# Allegro board RK_EVB1_RK3576_LP4XD200P132SD6_V12_20240530YWQ.brd (continued)
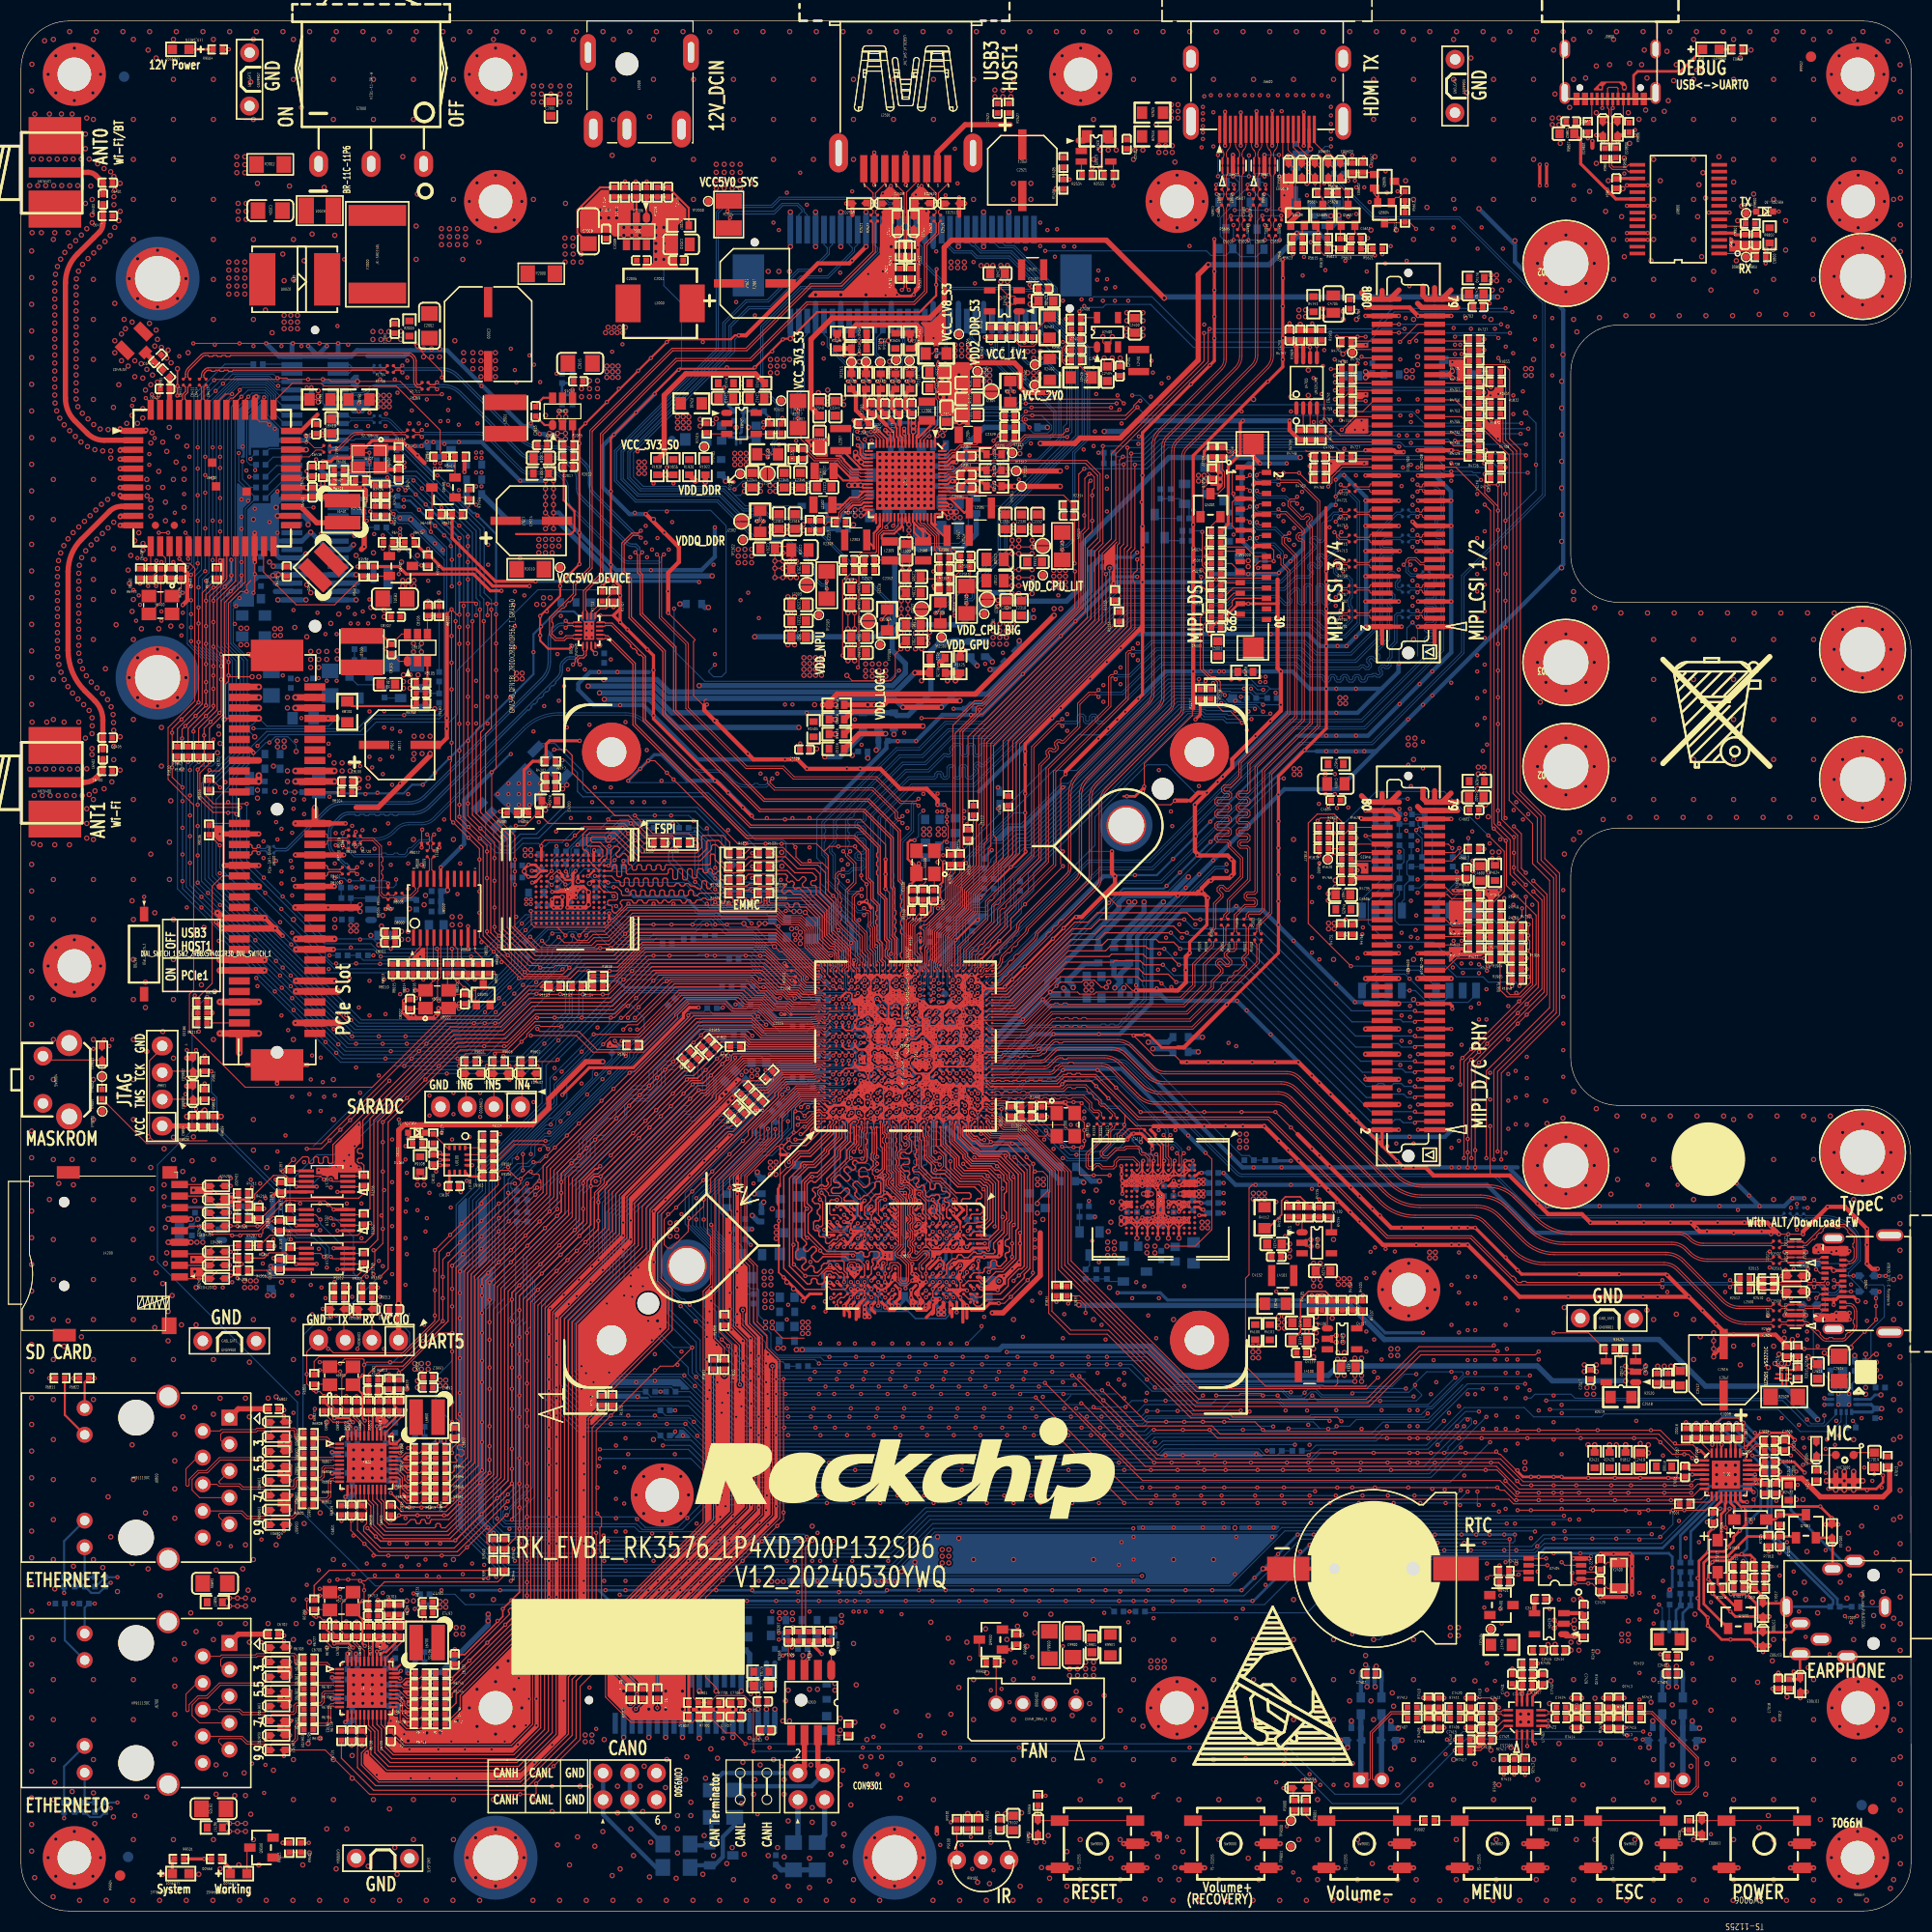
[diagram p0: board, top side]
## Footprints (pads in the part's own frame, mm; a bottom-side part is the same pattern mirrored in y, then rotated) (continued)
CNN30_1R00_FP05SL_V
  rect 0.5x0.9 smd: 1(-7.5,-1.25) 2(-7,1.25) 3(-6.5,-1.25) 4(-6,1.25) 5(-5.5,-1.25) 6(-5,1.25) 7(-4.5,-1.25) 8(-4,1.25) 9(-3.5,-1.25) 10(-3,1.25) 11(-2.5,-1.25) 12(-2,1.25) 13(-1.5,-1.25) 14(-1,1.25) 15(-0.5,-1.25) 16(0,1.25) 17(0.5,-1.25) 18(1,1.25) 19(1.5,-1.25) 20(2,1.25) 21(2.5,-1.25) 22(3,1.25) 23(3.5,-1.25) 24(4,1.25) 25(4.5,-1.25) 26(5,1.25) 27(5.5,-1.25) 28(6,1.25) 29(6.5,-1.25) 30(7,1.25)
  rect 2x2 smd: 31(-9.7,0) 32(9.7,0)
CNN40_0R80_61082_AUDIO
  round 1.2 hole 1.2 unplated: (-10.1,0)
  round 0.8 hole 0.8 unplated: (10.1,0)
  rect 0.5x2 smd: 1(-7.6,-2.2) 2(-7.6,2.2) 3(-6.8,-2.2) 4(-6.8,2.2) 5(-6,-2.2) 6(-6,2.2) 7(-5.2,-2.2) 8(-5.2,2.2) 9(-4.4,-2.2) 10(-4.4,2.2) 11(-3.6,-2.2) 12(-3.6,2.2) 13(-2.8,-2.2) 14(-2.8,2.2) 15(-2,-2.2) 16(-2,2.2) 17(-1.2,-2.2) 18(-1.2,2.2) 19(-0.4,-2.2) 20(-0.4,2.2) 21(0.4,-2.2) 22(0.4,2.2) 23(1.2,-2.2) 24(1.2,2.2) 25(2,-2.2) 26(2,2.2) 27(2.8,-2.2) 28(2.8,2.2) 29(3.6,-2.2) 30(3.6,2.2) 31(4.4,-2.2) 32(4.4,2.2) 33(5.2,-2.2) 34(5.2,2.2) 35(6,-2.2) 36(6,2.2) 37(6.8,-2.2) 38(6.8,2.2) 39(7.6,-2.2) 40(7.6,2.2)
CNN60_0R80_B406
  round 0.8 hole 0.8 unplated: (-15,-3.15) (15,3.15)
  rect 0.55x2.35 smd: 1(-11.6,4.35) 3(-10.8,4.35) 5(-10,4.35) 7(-9.2,4.35) 9(-8.4,4.35) 11(-7.6,4.35) 13(-6.8,4.35) 15(-6,4.35) 17(-5.2,4.35) 19(-4.4,4.35) 21(-3.6,4.35) 23(-2.8,4.35) 25(-2,4.35) 27(-1.2,4.35) 29(-0.4,4.35) 31(0.4,4.35) 33(1.2,4.35) 35(2,4.35) 37(2.8,4.35) 39(3.6,4.35) 41(4.4,4.35) 43(5.2,4.35) 45(6,4.35) 47(6.8,4.35) 49(7.6,4.35) 51(8.4,4.35) 53(9.2,4.35) 55(10,4.35) 57(10.8,4.35) 59(11.6,4.35)
  rect 0.55x2.65 smd: 2(-11.6,-4.35) 4(-10.8,-4.35) 6(-10,-4.35) 8(-9.2,-4.35) 10(-8.4,-4.35) 12(-7.6,-4.35) 14(-6.8,-4.35) 16(-6,-4.35) 18(-5.2,-4.35) 20(-4.4,-4.35) 22(-3.6,-4.35) 24(-2.8,-4.35) 26(-2,-4.35) 28(-1.2,-4.35) 30(-0.4,-4.35) 32(0.4,-4.35) 34(1.2,-4.35) 36(2,-4.35) 38(2.8,-4.35) 40(3.6,-4.35) 42(4.4,-4.35) 44(5.2,-4.35) 46(6,-4.35) 48(6.8,-4.35) 50(7.6,-4.35) 52(8.4,-4.35) 54(9.2,-4.35) 56(10,-4.35) 58(10.8,-4.35) 60(11.6,-4.35)
  rect 3x4 smd: 61(15.6,0) 62(-15.6,0)
CNN60M_0R80_61082
  round 0.8 hole 0.8 unplated: (-14.5,0)
  round 1.2 hole 1.2 unplated: (13.7,0)
  rect 0.5x2 smd: 1(11.2,2.2) 2(11.2,-2.2) 3(10.4,2.2) 4(10.4,-2.2) 5(9.6,2.2) 6(9.6,-2.2) 7(8.8,2.2) 8(8.8,-2.2) 9(8,2.2) 10(8,-2.2) 11(7.2,2.2) 12(7.2,-2.2) 13(6.4,2.2) 14(6.4,-2.2) 15(5.6,2.2) 16(5.6,-2.2) 17(4.8,2.2) 18(4.8,-2.2) 19(4,2.2) 20(4,-2.2) 21(3.2,2.2) 22(3.2,-2.2) 23(2.4,2.2) 24(2.4,-2.2) 25(1.6,2.2) 26(1.6,-2.2) 27(0.8,2.2) 28(0.8,-2.2) 29(0,2.2) 30(0,-2.2) 31(-0.8,2.2) 32(-0.8,-2.2) 33(-1.6,2.2) 34(-1.6,-2.2) 35(-2.4,2.2) 36(-2.4,-2.2) 37(-3.2,2.2) 38(-3.2,-2.2) 39(-4,2.2) 40(-4,-2.2) 41(-4.8,2.2) 42(-4.8,-2.2) 43(-5.6,2.2) 44(-5.6,-2.2) 45(-6.4,2.2) 46(-6.4,-2.2) 47(-7.2,2.2) 48(-7.2,-2.2) 49(-8,2.2) 50(-8,-2.2) 51(-8.8,2.2) 52(-8.8,-2.2) 53(-9.6,2.2) 54(-9.6,-2.2) 55(-10.4,2.2) 56(-10.4,-2.2) 57(-11.2,2.2) 58(-11.2,-2.2) 59(-12,2.2) 60(-12,-2.2)
CNN80M_0R80_61082
  round 0.8 hole 0.8 unplated: (-18.1,0)
  round 1.2 hole 1.2 unplated: (18.1,0)
  rect 0.5x2 smd: 1(15.6,2.5) 2(15.6,-2.5) 3(14.8,2.5) 4(14.8,-2.5) 5(14,2.5) 6(14,-2.5) 7(13.2,2.5) 8(13.2,-2.5) 9(12.4,2.5) 10(12.4,-2.5) 11(11.6,2.5) 12(11.6,-2.5) 13(10.8,2.5) 14(10.8,-2.5) 15(10,2.5) 16(10,-2.5) 17(9.2,2.5) 18(9.2,-2.5) 19(8.4,2.5) 20(8.4,-2.5) 21(7.6,2.5) 22(7.6,-2.5) 23(6.8,2.5) 24(6.8,-2.5) 25(6,2.5) 26(6,-2.5) 27(5.2,2.5) 28(5.2,-2.5) 29(4.4,2.5) 30(4.4,-2.5) 31(3.6,2.5) 32(3.6,-2.5) 33(2.8,2.5) 34(2.8,-2.5) 35(2,2.5) 36(2,-2.5) 37(1.2,2.5) 38(1.2,-2.5) 39(0.4,2.5) 40(0.4,-2.5) 41(-0.4,2.5) 42(-0.4,-2.5) 43(-1.2,2.5) 44(-1.2,-2.5) 45(-2,2.5) 46(-2,-2.5) 47(-2.8,2.5) 48(-2.8,-2.5) 49(-3.6,2.5) 50(-3.6,-2.5) 51(-4.4,2.5) 52(-4.4,-2.5) 53(-5.2,2.5) 54(-5.2,-2.5) 55(-6,2.5) 56(-6,-2.5) 57(-6.8,2.5) 58(-6.8,-2.5) 59(-7.6,2.5) 60(-7.6,-2.5) 61(-8.4,2.5) 62(-8.4,-2.5) 63(-9.2,2.5) 64(-9.2,-2.5) 65(-10,2.5) 66(-10,-2.5) 67(-10.8,2.5) 68(-10.8,-2.5) 69(-11.6,2.5) 70(-11.6,-2.5) 71(-12.4,2.5) 72(-12.4,-2.5) 73(-13.2,2.5) 74(-13.2,-2.5) 75(-14,2.5) 76(-14,-2.5) 77(-14.8,2.5) 78(-14.8,-2.5) 79(-15.6,2.5) 80(-15.6,-2.5)
CON2_1X2_5R08_DIP
  round 1.8 hole 1: 1(0,0) 2(5.08,-0.016)
CRY2_3R20X1R50X0R90
  rect 1x1.8 smd: 1(-1.25,0) 2(1.25,0)
CRY4_3R20X2R50X0R80
  rect 1.4x1.2 smd: 1(-1.1,-0.85) 2(1.1,-0.85) 3(1.1,0.85) 4(-1.1,0.85)
CRY4_3R20X2R50X1R20
  rect 1.4x1.2 smd: 1(-1.1,-0.85) 2(1.1,-0.85) 3(1.1,0.85) 4(-1.1,0.85)
CSP6L_1R25X0R77X0R63
  round 0.22 smd: A1(-0.4,-0.2) A2(-0.4,0.2) B1(0,-0.2) B2(0,0.2) C1(0.4,-0.2) C2(0.4,0.2)
DC3_DC_0007_5P
  round 2.2 hole 2.2 unplated: (4.1,0)
  oval 3.5x1.8 hole 2x0.8: 1(10.3,-3.2) 2(10.3,0) 3(10.3,5.2)
  oval 3.5x1.5 hole 2x0.6: 4(3,6.1) 5(3,-3.7)
DFN3_2R00X2R00X0R65
  rect 0.4x0.6 smd: 1(-0.65,-0.85) 2(0.65,-0.85)
  rect 0.4x0.35 smd: 3(0,0.975)
DO_214AB
  rect 2.5x5 smd: 1(-3.09,0) 2(3.09,0)
E-A
  rect 1.199x1.001 smd: 1(1.524,0) 2(-1.524,0)
E_C6
  rect 0.8x2.9 smd: 1(0,-2.45) 2(0,2.45)
E_E7
  rect 2.9x0.8 smd: 1(-3.05,0) 2(3.05,0)
ESD0402
  custom 0.868x0.636 smd: 1(-0.635,-0.02)
  custom 0.86x0.636 smd: 2(0.622,0)
ESD0603
  rect 0.6x1 smd: 1(-0.61,-0.02) 2(0.597,0)
F8050
  rect 2x5.5 smd: 1(-3.7,0) 2(3.7,0)
FBGA153_11R5X13R0X1R00
  round 0.3 smd: A1(-3.25,3.25) A2(-2.75,3.25) A3(-2.25,3.25) A4(-1.75,3.25) A5(-1.25,3.25) A6(-0.75,3.25) A7(-0.25,3.25) A8(0.25,3.25) A9(0.75,3.25) A10(1.25,3.25) A11(1.75,3.25) A12(2.25,3.25) A13(2.75,3.25) A14(3.25,3.25) B1(-3.25,2.75) B2(-2.75,2.75) B3(-2.25,2.75) B4(-1.75,2.75) B5(-1.25,2.75) B6(-0.75,2.75) B7(-0.25,2.75) B8(0.25,2.75) B9(0.75,2.75) B10(1.25,2.75) B11(1.75,2.75) B12(2.25,2.75) B13(2.75,2.75) B14(3.25,2.75) C1(-3.25,2.25) C2(-2.75,2.25) C3(-2.25,2.25) C4(-1.75,2.25) C5(-1.25,2.25) C6(-0.75,2.25) C7(-0.25,2.25) C8(0.25,2.25) C9(0.75,2.25) C10(1.25,2.25) C11(1.75,2.25) C12(2.25,2.25) C13(2.75,2.25) C14(3.25,2.25) D1(-3.25,1.75) D2(-2.75,1.75) D3(-2.25,1.75) D4(-1.75,1.75) D12(2.25,1.75) D13(2.75,1.75) D14(3.25,1.75) E1(-3.25,1.25) E2(-2.75,1.25) E3(-2.25,1.25) E5(-1.25,1.25) E6(-0.75,1.25) E7(-0.25,1.25) E8(0.25,1.25) E9(0.75,1.25) E10(1.25,1.25) E12(2.25,1.25) E13(2.75,1.25) E14(3.25,1.25) F1(-3.25,0.75) F2(-2.75,0.75) F3(-2.25,0.75) F5(-1.25,0.75) F10(1.25,0.75) F12(2.25,0.75) F13(2.75,0.75) F14(3.25,0.75) G1(-3.25,0.25) G2(-2.75,0.25) G3(-2.25,0.25) G5(-1.25,0.25) G10(1.25,0.25) G12(2.25,0.25) G13(2.75,0.25) G14(3.25,0.25) H1(-3.25,-0.25) H2(-2.75,-0.25) H3(-2.25,-0.25) H5(-1.25,-0.25) H10(1.25,-0.25) H12(2.25,-0.25) H13(2.75,-0.25) H14(3.25,-0.25) J1(-3.25,-0.75) J2(-2.75,-0.75) J3(-2.25,-0.75) J5(-1.25,-0.75) J10(1.25,-0.75) J12(2.25,-0.75) J13(2.75,-0.75) J14(3.25,-0.75) K1(-3.25,-1.25) K2(-2.75,-1.25) K3(-2.25,-1.25) K5(-1.25,-1.25) K6(-0.75,-1.25) K7(-0.25,-1.25) K8(0.25,-1.25) K9(0.75,-1.25) K10(1.25,-1.25) K12(2.25,-1.25) K13(2.75,-1.25) K14(3.25,-1.25) L1(-3.25,-1.75) L2(-2.75,-1.75) L3(-2.25,-1.75) L12(2.25,-1.75) L13(2.75,-1.75) L14(3.25,-1.75) M1(-3.25,-2.25) M2(-2.75,-2.25) M3(-2.25,-2.25) M4(-1.75,-2.25) M5(-1.25,-2.25) M6(-0.75,-2.25) M7(-0.25,-2.25) M8(0.25,-2.25) M9(0.75,-2.25) M10(1.25,-2.25) M11(1.75,-2.25) M12(2.25,-2.25) M13(2.75,-2.25) M14(3.25,-2.25) N1(-3.25,-2.75) N2(-2.75,-2.75) N3(-2.25,-2.75) N4(-1.75,-2.75) N5(-1.25,-2.75) N6(-0.75,-2.75) N7(-0.25,-2.75) N8(0.25,-2.75) N9(0.75,-2.75) N10(1.25,-2.75) N11(1.75,-2.75) N12(2.25,-2.75) N13(2.75,-2.75) N14(3.25,-2.75) P1(-3.25,-3.25) P2(-2.75,-3.25) P3(-2.25,-3.25) P4(-1.75,-3.25) P5(-1.25,-3.25) P6(-0.75,-3.25) P7(-0.25,-3.25) P8(0.25,-3.25) P9(0.75,-3.25) P10(1.25,-3.25) P11(1.75,-3.25) P12(2.25,-3.25) P13(2.75,-3.25) P14(3.25,-3.25)
HDMIA19_HDMI_01A
  rect 0.3x2.6 smd: 1(0,0) 2(0.5,0) 3(1,0) 4(1.5,0) 5(2,0) 6(2.5,0) 7(3,0) 8(3.5,0) 9(4,0) 10(4.5,0) 11(5,0) 12(5.5,0) 13(6,0) 14(6.5,0) 15(7,0) 16(7.5,0) 17(8,0) 18(8.5,0) 19(9,0)
  oval 1.5x3.5 hole 0.9x2.7: 20(11.75,0.76) 21(-2.75,0.76)
  oval 1.5x2.5 hole 0.9x1.7: 22(-2.75,6.72) 23(11.75,6.72)
HOLE_C3R20_C6R00
  round 6 hole 3.2: 1(0,0)
IJ3_IRM_3638
  round 1.778 hole 0.89: 1(-2.489,0) 2(0,0) 3(2.489,0)
IND_201610
  rect 0.8x1.6 smd: 1(-0.9,0) 2(0.9,0)
IND_252010
  rect 0.7x2 smd: 1(-1.05,0) 2(1.05,0)
IND_252012
  rect 0.7x2 smd: 1(-1.05,0) 2(1.05,0)
IND_303015
  rect 3.4x1.3 smd: 1(0,1.05) 2(0,-1.05)
IND_404020
  rect 1.5x4 smd: 1(-1.5,0) 2(1.5,0)
IND_667028
  rect 2.4x3.6 smd: 1(-3.05,0) 2(3.05,0)
L0603
  rect 0.965x0.8 smd: 1(-0.8,0) 2(0.8,0)
LED0603
  rect 0.9x0.9 smd: 1(-0.8,0) 2(0.8,0)
LGA14_3R00X2R50X0R86
  rect 0.475x0.25 smd: 1(-1.162,0.75) 2(-1.162,0.25) 3(-1.162,-0.25) 4(-1.162,-0.75) 8(1.162,-0.75) 9(1.162,-0.25) 10(1.162,0.25) 11(1.162,0.75)
  rect 0.25x0.475 smd: 5(-0.5,-0.912) 6(0,-0.912) 7(0.5,-0.912) 12(0.5,0.913) 13(0,0.913) 14(-0.5,0.913)
MARK
  round 1 smd: 1(0,0)
MD55_WIFI_AP6276P
  rect 1.9x0.6 smd: 1(-7.5,4.5) 2(-7.5,3.6) 3(-7.5,2.7) 4(-7.5,1.8) 5(-7.5,0.9) 6(-7.5,0) 7(-7.5,-0.9) 8(-7.5,-1.8) 9(-7.5,-2.7) 10(-7.5,-3.6) 11(-7.5,-4.5) 26(7.5,-4.5) 27(7.5,-3.6) 28(7.5,-2.7) 29(7.5,-1.8) 30(7.5,-0.9) 31(7.5,0) 32(7.5,0.9) 33(7.5,1.8) 34(7.5,2.7) 35(7.5,3.6) 36(7.5,4.5)
  rect 0.6x1.9 smd: 12(-5.85,-6.5) 13(-4.95,-6.5) 14(-4.05,-6.5) 15(-3.15,-6.5) 16(-2.25,-6.5) 17(-1.35,-6.5) 18(-0.45,-6.5) 19(0.45,-6.5) 20(1.35,-6.5) 21(2.25,-6.5) 22(3.15,-6.5) 23(4.05,-6.5) 24(4.95,-6.5) 25(5.85,-6.5) 37(5.85,6.5) 38(4.95,6.5) 39(4.05,6.5) 40(3.15,6.5) 41(2.25,6.5) 42(1.35,6.5) 43(0.45,6.5) 44(-0.45,6.5) 45(-1.35,6.5) 46(-2.25,6.5) 47(-3.15,6.5) 48(-4.05,6.5) 49(-4.95,6.5) 50(-5.85,6.5)
  round 0.7 smd: 51(-5.4,-4.5) 52(-3.6,-4.5)
  rect 0.8x0.8 smd: 53(0,1.47) 54(0.37,-0.79) 55(3.29,-1.29)
MLP14_2R50X2R50X0R80
  rect 0.6x0.3 smd: 1(-1.21,0.5) 2(-1.21,0) 3(-1.21,-0.5) 8(1.21,-0.5) 9(1.21,0) 10(1.21,0.5)
  rect 0.3x0.6 smd: 4(-0.75,-1.21) 5(-0.25,-1.21) 6(0.25,-1.21) 7(0.75,-1.21) 11(0.75,1.21) 12(0.25,1.21) 13(-0.25,1.21) 14(-0.75,1.21)
  rect 1.45x1.45 smd: 15(0,0)
MSOP8_3R00X3R00X1R10
  oval 1.3x0.41 smd: 1(-2.4,0.975) 2(-2.4,0.325) 3(-2.4,-0.325) 4(-2.4,-0.975) 5(2.4,-0.975) 6(2.4,-0.325) 7(2.4,0.325) 8(2.4,0.975)
MSOP8_3R10X3R10X1R10
  oval 1.3x0.41 smd: 1(-2.4,0.975) 2(-2.4,0.325) 3(-2.4,-0.325) 4(-2.4,-0.975) 5(2.4,-0.975) 6(2.4,-0.325) 7(2.4,0.325) 8(2.4,0.975)
MSOP10_3R00X3R00X1R10
  oval 0.3x1.45 smd: 1(-1,-1.975)
  rect 0.3x1.45 smd: 2(-0.5,-1.975) 3(0,-1.975) 4(0.5,-1.975) 5(1,-1.975) 6(1,1.975) 7(0.5,1.975) 8(0,1.975) 9(-0.5,1.975) 10(-1,1.975)
OPEN
  custom 1.199x0.599 smd: 1(0,-0.343) 2(0,0.343)
PCIE64_X4_SMT
  round 1.2 hole 1.2 unplated: (0,0) (23.15,0)
  rect 3x5 smd: 1(-14.65,0) 2(24.35,0)
  rect 0.7x2 smd: A1(-11.65,3.6) A2(-10.65,3.6) A3(-9.65,3.6) A4(-8.65,3.6) A5(-7.65,3.6) A6(-6.65,3.6) A7(-5.65,3.6) A8(-4.65,3.6) A9(-3.65,3.6) A10(-2.65,3.6) A11(-1.65,3.6) A12(1.35,3.6) A13(2.35,3.6) A14(3.35,3.6) A15(4.35,3.6) A16(5.35,3.6) A17(6.35,3.6) A18(7.35,3.6) A19(8.35,3.6) A20(9.35,3.6) A21(10.35,3.6) A22(11.35,3.6) A23(12.35,3.6) A24(13.35,3.6) A25(14.35,3.6) A26(15.35,3.6) A27(16.35,3.6) A28(17.35,3.6) A29(18.35,3.6) A30(19.35,3.6) A31(20.35,3.6) A32(21.35,3.6) B1(-11.65,-3.6) B2(-10.65,-3.6) B3(-9.65,-3.6) B4(-8.65,-3.6) B5(-7.65,-3.6) B6(-6.65,-3.6) B7(-5.65,-3.6) B8(-4.65,-3.6) B9(-3.65,-3.6) B10(-2.65,-3.6) B11(-1.65,-3.6) B12(1.35,-3.6) B13(2.35,-3.6) B14(3.35,-3.6) B15(4.35,-3.6) B16(5.35,-3.6) B17(6.35,-3.6) B18(7.35,-3.6) B19(8.35,-3.6) B20(9.35,-3.6) B21(10.35,-3.6) B22(11.35,-3.6) B23(12.35,-3.6) B24(13.35,-3.6) B25(14.35,-3.6) B26(15.35,-3.6) B27(16.35,-3.6) B28(17.35,-3.6) B29(18.35,-3.6) B30(19.35,-3.6) B31(20.35,-3.6) B32(21.35,-3.6)
PJ8_B2339J
  round 1.2 hole 1.2 unplated: (0,3.5) (0,-3)
  oval 1.2x2 hole 0.7x1.5: 1(-1.1,0) 4(8.3,0)
  oval 2x1.2 hole 1.5x0.7: 2(7,1.6) 3(3.9,-3.6) 5(5,3.1) 6(7,4.5) 7(2.5,4.75) 8(1.8,-4.35)
QFN16_3R00X3R00X0R80_T
  rect 0.9x0.24 smd: 1(-1.55,0.75) 2(-1.55,0.25) 3(-1.55,-0.25) 4(-1.55,-0.75) 9(1.55,-0.75) 10(1.55,-0.25) 11(1.55,0.25) 12(1.55,0.75)
  rect 0.24x0.9 smd: 5(-0.75,-1.55) 6(-0.25,-1.55) 7(0.25,-1.55) 8(0.75,-1.55) 13(0.75,1.55) 14(0.25,1.55) 15(-0.25,1.55) 16(-0.75,1.55)
  rect 1.7x1.7 smd: 17(0,0)
QFN18L_2R00X2R80X0R567_T
  custom 0.7x0.2 smd: 1(-1,0.8) 5(-1,-0.8) 10(1,-0.8) 14(1,0.8)
  rect 0.7x0.2 smd: 2(-1,0.4) 3(-1,0) 4(-1,-0.4) 11(1,-0.4) 12(1,0) 13(1,0.4)
  custom 0.2x0.7 smd: 6(-0.6,-1.4) 9(0.6,-1.4) 15(0.6,1.4) 18(-0.6,1.4)
  rect 0.2x0.7 smd: 7(-0.2,-1.4) 8(0.2,-1.4) 16(0.2,1.4) 17(-0.2,1.4)
  rect 1x1.8 smd: 19(0,0)
QFN28_4R00X4R00X0R90_T
  rect 0.9x0.25 smd: 1(-2.05,1.35) 2(-2.05,0.9) 3(-2.05,0.45) 4(-2.05,0) 5(-2.05,-0.45) 6(-2.05,-0.9) 7(-2.05,-1.35) 15(2.05,-1.35) 16(2.05,-0.9) 17(2.05,-0.45) 18(2.05,0) 19(2.05,0.45) 20(2.05,0.9) 21(2.05,1.35)
  rect 0.25x0.9 smd: 8(-1.35,-2.05) 9(-0.9,-2.05) 10(-0.45,-2.05) 11(0,-2.05) 12(0.45,-2.05) 13(0.9,-2.05) 14(1.35,-2.05) 22(1.35,2.05) 23(0.9,2.05) 24(0.45,2.05) 25(0,2.05) 26(-0.45,2.05) 27(-0.9,2.05) 28(-1.35,2.05)
  rect 2.7x2.7 smd: 29(0,0)
QFN40_5R00X5R00X0R90_T
  rect 0.85x0.23 smd: 1(-2.55,1.8) 2(-2.55,1.4) 3(-2.55,1) 4(-2.55,0.6) 5(-2.55,0.2) 6(-2.55,-0.2) 7(-2.55,-0.6) 8(-2.55,-1) 9(-2.55,-1.4) 10(-2.55,-1.8) 21(2.55,-1.8) 22(2.55,-1.4) 23(2.55,-1) 24(2.55,-0.6) 25(2.55,-0.2) 26(2.55,0.2) 27(2.55,0.6) 28(2.55,1) 29(2.55,1.4) 30(2.55,1.8)
  rect 0.23x0.92 smd: 11(-1.8,-2.55) 12(-1.4,-2.55) 13(-1,-2.55) 14(-0.6,-2.55) 15(-0.2,-2.55) 16(0.2,-2.55) 17(0.6,-2.55) 18(1,-2.55) 19(1.4,-2.55) 20(1.8,-2.55) 31(1.8,2.55) 32(1.4,2.55) 33(1,2.55) 34(0.6,2.55) 35(0.2,2.55) 36(-0.2,2.55) 37(-0.6,2.55) 38(-1,2.55) 39(-1.4,2.55) 40(-1.8,2.55)
  custom 3.5x3.5 smd: 41(0,0)
QFN68_7R00X7R00X0R80_T
  oval 0.8x0.2 smd: 1(-3.5,2.8)
  rect 0.8x0.2 smd: 2(-3.5,2.45) 3(-3.5,2.1) 4(-3.5,1.75) 5(-3.5,1.4) 6(-3.5,1.05) 7(-3.5,0.7) 8(-3.5,0.35) 9(-3.5,0) 10(-3.5,-0.35) 11(-3.5,-0.7) 12(-3.5,-1.05) 13(-3.5,-1.4) 14(-3.5,-1.75) 15(-3.5,-2.1) 16(-3.5,-2.45) 17(-3.5,-2.8) 35(3.5,-2.8) 36(3.5,-2.45) 37(3.5,-2.1) 38(3.5,-1.75) 39(3.5,-1.4) 40(3.5,-1.05) 41(3.5,-0.7) 42(3.5,-0.35) 43(3.5,0) 44(3.5,0.35) 45(3.5,0.7) 46(3.5,1.05) 47(3.5,1.4) 48(3.5,1.75) 49(3.5,2.1) 50(3.5,2.45) 51(3.5,2.8)
  rect 0.2x0.8 smd: 18(-2.8,-3.5) 19(-2.45,-3.5) 20(-2.1,-3.5) 21(-1.75,-3.5) 22(-1.4,-3.5) 23(-1.05,-3.5) 24(-0.7,-3.5) 25(-0.35,-3.5) 26(0,-3.5) 27(0.35,-3.5) 28(0.7,-3.5) 29(1.05,-3.5) 30(1.4,-3.5) 31(1.75,-3.5) 32(2.1,-3.5) 33(2.45,-3.5) 34(2.8,-3.5) 52(2.8,3.5) 53(2.45,3.5) 54(2.1,3.5) 55(1.75,3.5) 56(1.4,3.5) 57(1.05,3.5) 58(0.7,3.5) 59(0.35,3.5) 60(0,3.5) 61(-0.35,3.5) 62(-0.7,3.5) 63(-1.05,3.5) 64(-1.4,3.5) 65(-1.75,3.5) 66(-2.1,3.5) 67(-2.45,3.5) 68(-2.8,3.5)
  rect 5.6x5.6 smd: 69(0,0)
R0201
  custom 0.294x0.3 smd: 1(-0.275,0) 2(0.275,0)
R0402
  rect 0.55x0.55 smd: 1(-0.45,0) 2(0.45,0)
R0603
  rect 0.65x0.8 smd: 1(-0.725,0) 2(0.725,0)
R0805
  rect 1x1.2 smd: 1(-1,0) 2(1,0)
R1206
  rect 1.4x1.6 smd: 1(-1.3,0) 2(1.3,0)
R1210
  rect 1.5x2.5 smd: 1(-1.3,0) 2(1.3,0)
RADIATOR_38RX38RX10R
  round 3.8 hole 3.4: 1(-20.92,-20.97) 2(20.92,20.97)
RADIATOR_FAN_65RX65RX13R
  round 5.6 hole 2.8: 1(-28,28) 2(28,28) 3(-28,-28) 4(28,-28)
RJ45_HR911130C
  round 3.4 hole 3.4 unplated: (-5.715,0) (5.715,0)
  rect 1.524x1.524 hole 0.9: 1(5.72,-8.89)
  round 1.524 hole 0.9: 2(4.45,-6.35) 3(3.18,-8.89) 4(1.91,-6.35) 5(0.64,-8.89) 6(-0.63,-6.35) 7(-1.9,-8.89) 8(-3.17,-6.35) 9(-4.44,-8.89) 10(-5.71,-6.35) 11(6.625,4.9) 12(4.085,4.9) 13(-4.085,4.9) 14(-6.625,4.9)
  round 2.2 hole 1.699: 15(-7.745,-3.05) 16(7.745,-3.05)
RK3576_65R0X65R0X54R3_S
  round 2.1 hole 2.1 unplated: (-24.5,24.5) (24.5,-24.5)
  round 5.6 hole 2.8: HOLE1(-28,28) HOLE2(28,28) HOLE3(28,-28) HOLE4(-28,-28)
RP2_0405
  rect 0.5x0.3 smd: 1(-0.625,-0.275) 2(0.625,-0.275) 3(-0.625,0.275) 4(0.625,0.275)
SMTSO_M3_C4R1_C6R0_L5R0
  round 8 hole 4.3: 1(0,0)
SMTSO_M3_C4R1_C6R0_L5R0#2
  round 6 hole 4.3: 1(0,0)
SOD_123
  rect 1x1 smd: 1(-1.8,0) 2(1.8,0)
SOD_323
  rect 0.8x0.6 smd: 1(-1.2,0) 2(1.2,0)
SOD_523
  rect 0.6x0.6 smd: 1(0,0.8) 2(0,-0.8)
SON10_2R50X1R00X0R50
  rect 0.2x0.68 smd: 1(-1,-0.437) 2(-0.5,-0.437) 4(0.5,-0.437) 5(1,-0.437) 6(1,0.437) 7(0.5,0.437) 9(-0.5,0.437) 10(-1,0.437)
  rect 0.4x0.75 smd: 3(0,-0.395) 8(0,0.395)
SOP8_5R00X4R00X1R75
  oval 0.762x1.93 smd: 1(-1.91,-3.1)
  rect 0.762x1.93 smd: 2(-0.64,-3.1) 3(0.64,-3.1) 4(1.905,-3.1) 5(1.905,3.1) 6(0.64,3.1) 7(-0.64,3.1) 8(-1.91,3.1)
SOT_23
  rect 0.8x1.1 smd: 1(-0.95,-1.1) 2(0.95,-1.1) 3(0,1.1)
SOT_23_5
  oval 1.1x0.6 smd: 1(-1.4,1)
  rect 1.1x0.6 smd: 2(-1.4,0) 3(-1.4,-1) 4(1.4,-1) 5(1.4,1)
SOT_23_6
  oval 1x0.7 smd: 1(-1.3,0.95)
  rect 1x0.7 smd: 2(-1.3,0) 3(-1.3,-0.95) 4(1.3,-0.95) 5(1.3,0) 6(1.3,0.95)
SOT_323
  rect 0.7x0.9 smd: 1(-0.65,-0.95) 2(0.65,-0.95) 3(0,0.95)
SSOP28_10R20X5R30X2R00
  rect 0.35x1.5 smd: 1(-4.225,-3.9) 2(-3.575,-3.9) 3(-2.925,-3.9) 4(-2.275,-3.9) 5(-1.625,-3.9) 6(-0.975,-3.9) 7(-0.325,-3.9) 8(0.325,-3.9) 9(0.975,-3.9) 10(1.625,-3.9) 11(2.275,-3.9) 12(2.925,-3.9) 13(3.575,-3.9) 14(4.225,-3.9) 15(4.225,3.9) 16(3.575,3.9) 17(2.925,3.9) 18(2.275,3.9) 19(1.625,3.9) 20(0.975,3.9) 21(0.325,3.9) 22(-0.325,3.9) 23(-0.975,3.9) 24(-1.625,3.9) 25(-2.275,3.9) 26(-2.925,3.9) 27(-3.575,3.9) 28(-4.225,3.9)
SW2_2R88X5R40X2R30
  rect 0.8x1.4 smd: 1(0,3.81) 2(0,-3.81)
SW3_KCD1-11-3P-W
  oval 1.8x2.5 hole 0.8x1.5: 1(-5,0) 2(0,0) 3(5,0)
SW4_6R50X7R00X7R10
  round 1.8 hole 1: 1(-2.25,-1.25) 2(2.25,-1.25)
  round 2.5 hole 1.5: 3(-3.5,1.25) 4(3.5,1.25)
SW5_6R20X6R20X2R50
  rect 1.7x1 smd: 1(-3.6,2.3) 2(-3.6,-2.2) 3(3.6,-2.2) 4(3.6,2.3) 5(-3.6,0)
SW8_5R68X5R40X2R30
  rect 0.75x1.5 smd: 1(-1.905,-3.81) 2(-0.635,-3.81) 3(0.635,-3.81) 4(1.905,-3.81) 5(1.905,3.81) 6(0.635,3.81) 7(-0.635,3.81) 8(-1.905,3.81)
TF9_TFP09-2-12B
  round 1 hole 1 unplated: (0,4.051) (0,-3.929)
  rect 1.6x0.7 smd: 1(-11.001,3.201) 2(-11.001,2.101) 3(-11.001,1.001) 4(-11.001,-0.099) 5(-11.001,-1.199) 6(-11.001,-2.299) 7(-11.001,-3.399) 8(-11.001,-4.499) 9(-11.001,-5.599)
  rect 1.4x1.2 smd: 10(-10.061,-6.749)
  rect 2.2x1.2 smd: 11(-0.399,-6.749) 13(-0.02,8.751)
  rect 1.4x1.6 smd: 12(-10,7.851)
TP_0R70
  round 0.7 smd: 1(0,0)
TSSOP8_3R10X3R10X1R10
  oval 1x0.45 smd: 1(-2.5,0.975)
  rect 1x0.45 smd: 2(-2.5,0.325) 3(-2.5,-0.325) 4(-2.5,-0.975) 5(2.5,-0.975) 6(2.5,-0.325) 7(2.5,0.325) 8(2.5,0.975)
TSSOP20_6R50X4R40X1R20
  rect 1.55x0.3 smd: 1(-2.8,2.925) 2(-2.8,2.275) 3(-2.8,1.625) 4(-2.8,0.975) 5(-2.8,0.325) 6(-2.8,-0.325) 7(-2.8,-0.975) 8(-2.8,-1.625) 9(-2.8,-2.275) 10(-2.8,-2.925) 11(2.8,-2.925) 12(2.8,-2.275) 13(2.8,-1.625) 14(2.8,-0.975) 15(2.8,-0.325) 16(2.8,0.325) 17(2.8,0.975) 18(2.8,1.625) 19(2.8,2.275) 20(2.8,2.925)
TYPEC20_16P_U20401
  round 0.65 hole 0.65: 29(1.43,3.68) 30(7.21,3.68)
  rect 0.6x1.2 smd: A1(1.12,4.75) A4(1.92,4.75) B1(7.52,4.75) B4(6.72,4.75)
  rect 0.3x1.2 smd: A5(3.07,4.75) A6(4.07,4.75) A7(4.57,4.75) A8(5.57,4.75) B5(6.07,4.75) B6(5.07,4.75) B7(3.57,4.75) B8(2.57,4.75)
  oval 1x1.8 hole 0.6x1.4: G1(0,0) G2(8.64,0)
  oval 1x2.1 hole 0.6x1.7: G3(0,4.18) G4(8.64,4.18)
TYPEC30_24P_SD-2012670005
  rect 0.3x0.7 smd: A1(-3,3.49) A2(-2.5,3.49) A3(-2,3.49) A4(-1.5,3.49) A5(-1,3.49) A6(-0.5,3.49) A7(0.5,3.49) A8(1,3.49) A9(1.5,3.49) A10(2,3.49) A11(2.5,3.49) A12(3,3.49) B2(2.25,1.79) B3(1.75,1.79) B4(1.25,1.79) B5(0.75,1.79) B6(0.25,1.79) B7(-0.25,1.79) B8(-0.75,1.79) B9(-1.25,1.79) B10(-1.75,1.79) B11(-2.25,1.79)
  rect 1x0.7 smd: B1(3.1,1.79) B12(-3.1,1.79)
  oval 1x2.1 hole 0.6x1.7: H1(-4.32,2.68) H2(4.32,2.68)
  oval 1.1x2.6 hole 0.6x2.2: H3(-4.62,-2.68) H4(4.62,-2.68)
USB30_AF_SMT_THF
  rect 0.7x2.6 smd: 1(-3,0.5) 2(-1,0.5) 3(1,0.5) 4(3,0.5) 5(4,0.5) 6(2,0.5) 7(0,0.5) 8(-2,0.5) 9(-4,0.5)
  oval 1.8x3.7 hole 0.6x2.5: 10(-6.4,-1) 11(6.4,-1)
WLCSP4_0R80X0R80X0R50
  round 0.25 smd: A1(-0.2,0.2) A2(0.2,0.2) B1(-0.2,-0.2) B2(0.2,-0.2)
WSON8_8R00X6R00X0R80_T
  rect 0.8x1.6 smd: 1(-1.905,-3.8) 2(-0.635,-3.8) 3(0.635,-3.8) 4(1.905,-3.8) 5(1.905,3.8) 6(0.635,3.8) 7(-0.635,3.8) 8(-1.905,3.8)
  rect 3.4x4.3 smd: 9(0,0)

## Nets
